# Altium PCB HIVE_BOARD.PcbDoc (part 3 of 9) (continued)
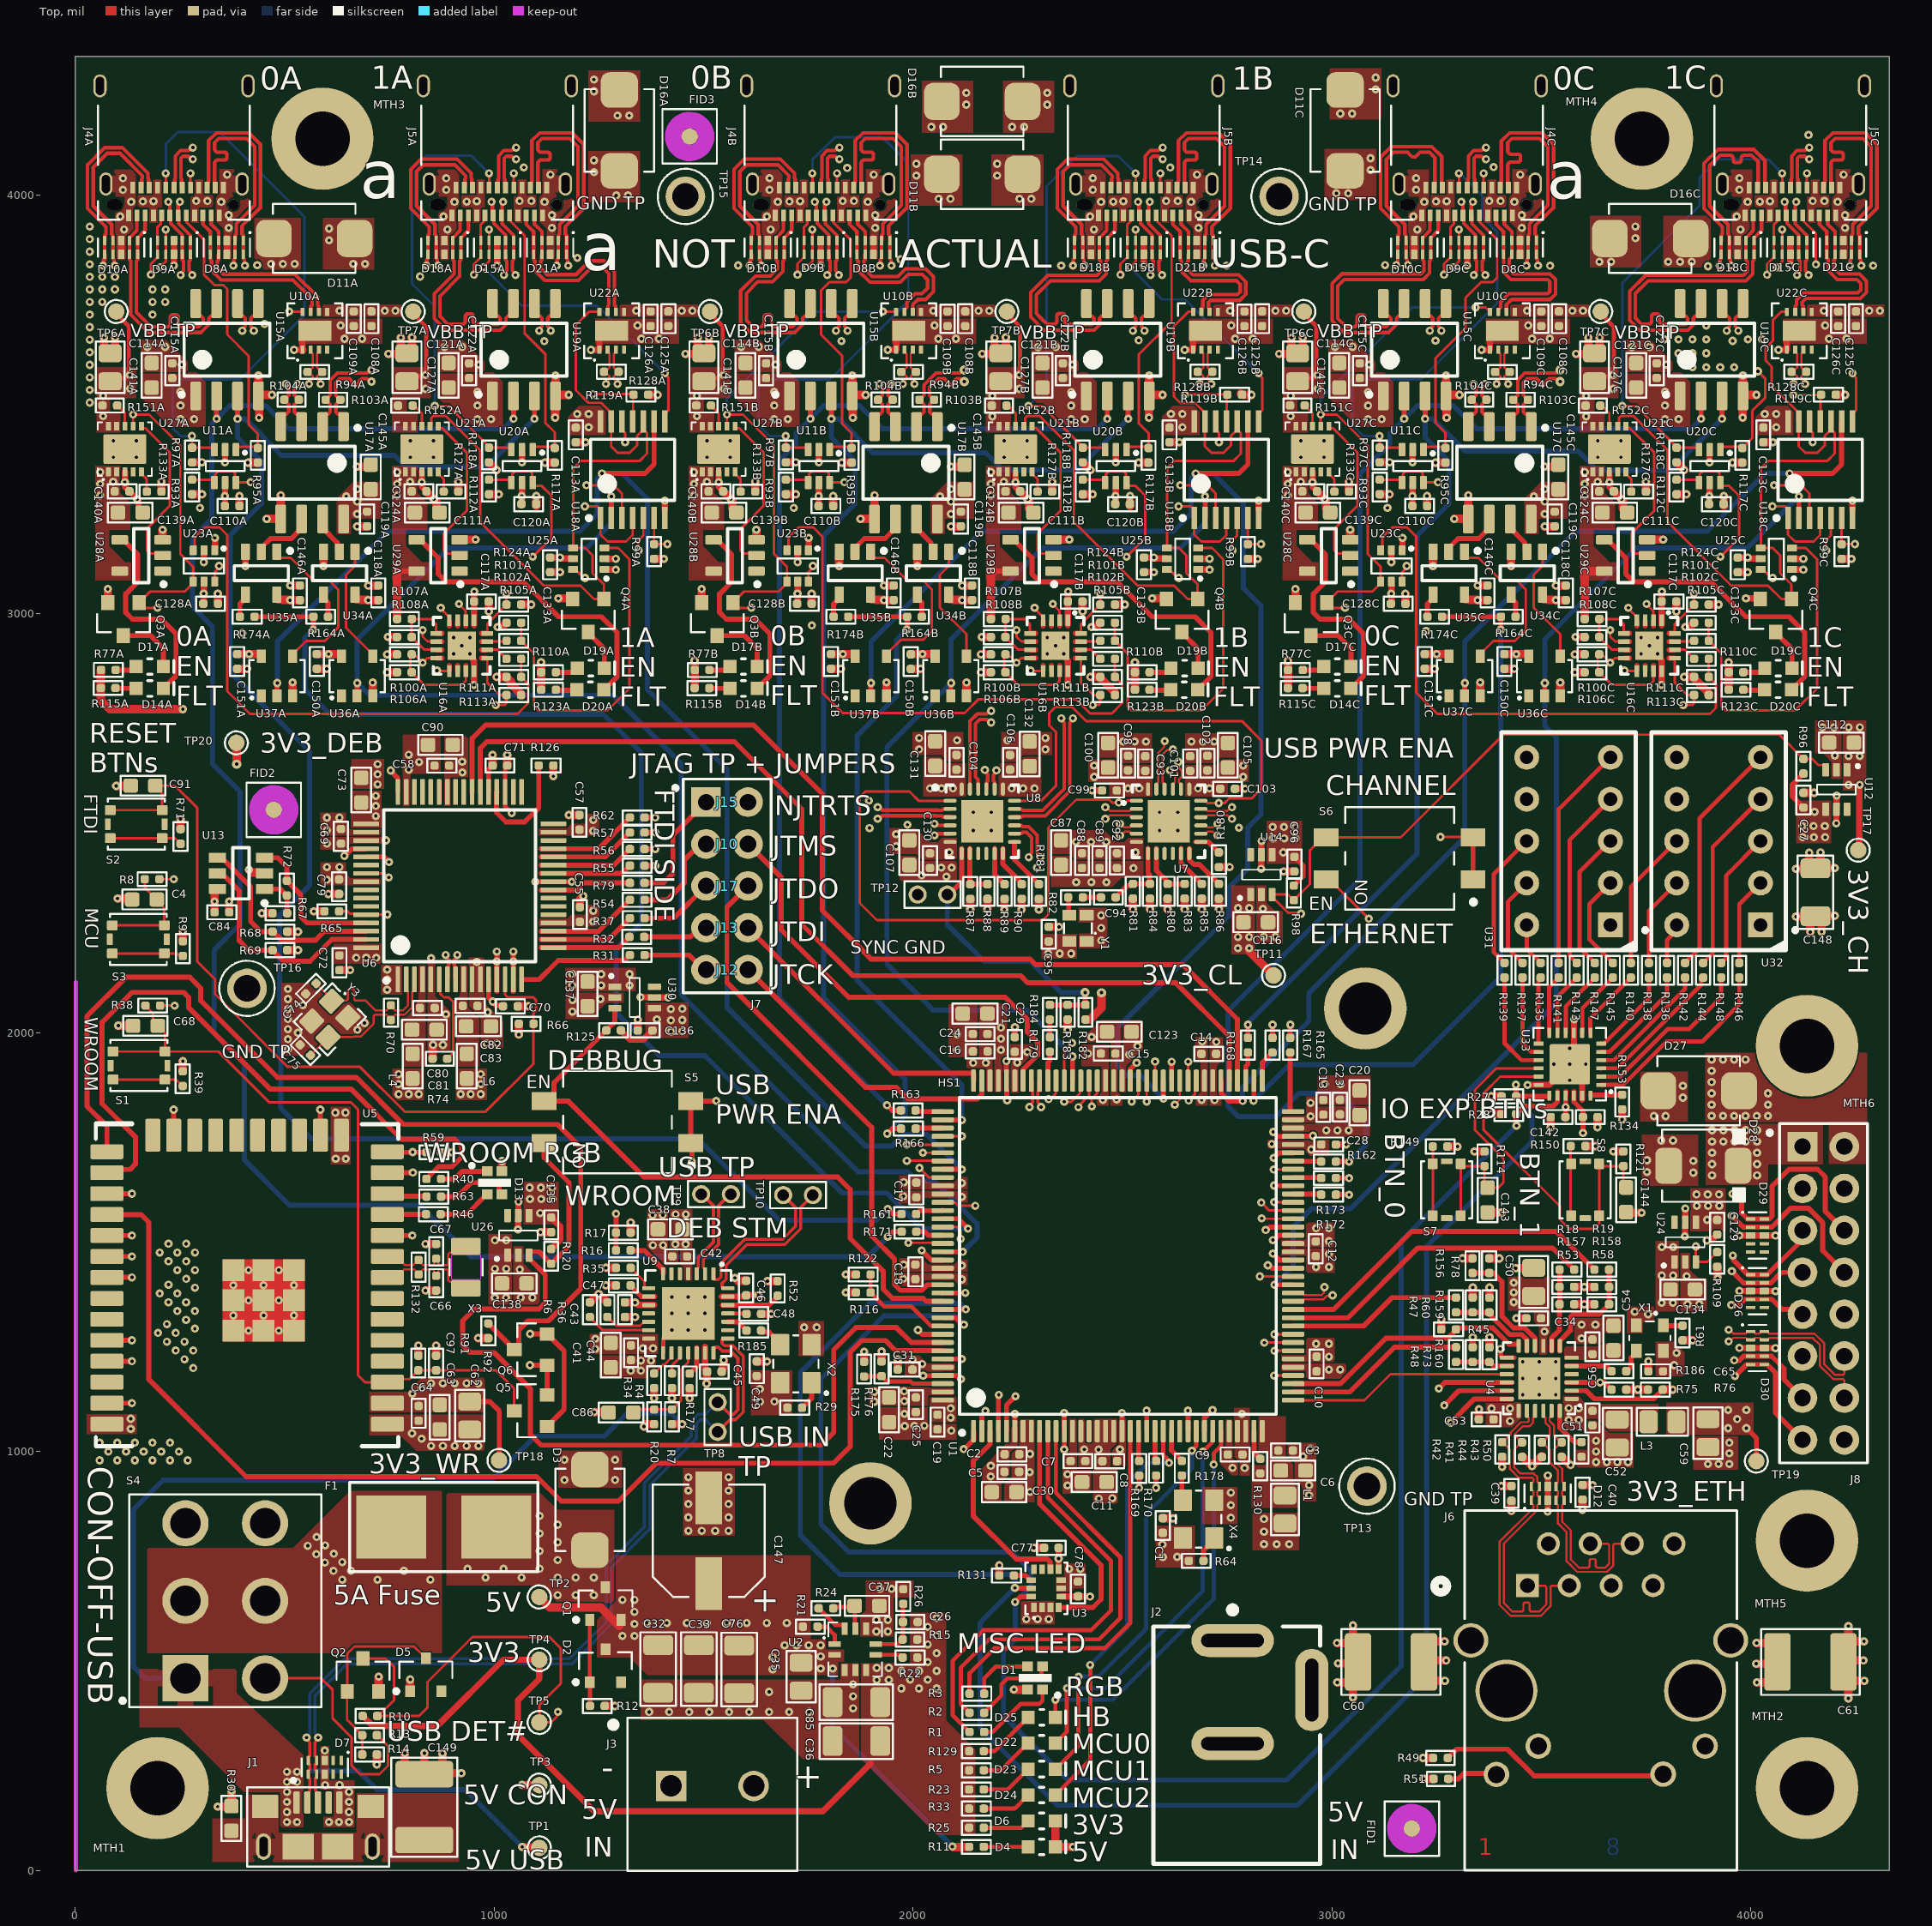
[diagram p0: Top view]
## Part data (continued)
R108A R108B R108C: library part RES_RC0402FR-0740K2L, "RES - 40.2K 1% 1/16W - 0402", Current Rating=-, Manufacturer #1=Yageo, Package=0402, Power Max=1/16W, Supplier Part Number 1=311-40.2KLRCT-ND, Temperature="-55°C ~ 155°C", Tolerance=1%, Voltage Rating=50V, Assembly Type=SMD, CreatedBy/Date="Raphael Bouchard - 2019-08-09", Cryo=UNKNOWN, GRAMS Lib Spec=2.8, HelpURL=http://www.yageo.com/documents/recent/PYu-RC_Group_51_RoHS_L_10.pdf, Magnetic Material=Unknown, Manufacturer #2=-, Note=-, Part Number #1=RC0402FR-0740K2L, Part Number #2=-, Polarized=No, Supplier 1=Digi-Key, VerifiedBy="C.Paulin - 15/08/2019"
R130: library part RES_RC0402FR-0747RL, "RES -  47ohm ±1% 0.063W, 1/16W Chip Resistor 0402", Manufacturer #1=Yageo, Package=0402, Power Max=1/16W, Supplier Part Number 1=311-47.0LRCT-ND, Temperature="-55°C ~ 155°C", Tolerance=1%, Voltage Rating=50V, Assembly Type=SMD, CreatedBy/Date="Philippe Arsenault/2021-04-10", GRAMS Lib Spec=2.8, HelpURL=https://www.yageo.com/upload/media/product/productsearch/datasheet/rchip/PYu-RC_Group_51_RoHS_L_11.pdf, Magnetic Material=Unknown, Part Number #1=RC0402FR-0747RL, Polarized=No, Supplier 1=Digi-Key, VerifiedBy="Louis-Daniel Gaulin / 14-04-2021"
R132: library part RES_RC0402FR-071ML, "RES - 1M 1% 1/16W - 0402", Manufacturer #1=Yageo, Package=0402, Power Max=1/16W, Supplier Part Number 1=311-1.00MLRCT-ND, Temperature="-55°C ~ 155°C", Tolerance=1%, Voltage Rating=50V, Assembly Type=SMD, CreatedBy/Date="Keven Deslandes 2018-11-09", Cryo=UNKNOWN, GRAMS Lib Spec=2.8, HelpURL=http://www.yageo.com/documents/recent/PYu-RC_Group_51_RoHS_L_10.pdf, Magnetic Material=Unknown, Part Number #1=RC0402FR-071ML, Polarized=No, Supplier 1=Digi-Key, VerifiedBy="Caroline Paulin - 7 janv 2019"
R151A R151B R151C R152A R152B R152C: library part RES_CRCW04023R48FKED, "RES - 3.48 R ±1% 1/16W -  0402", Manufacturer #1="Vishay Dale", Package=0402, Power Max=1/16W, Supplier Part Number 1=541-3.48LLCT-ND, Temperature="-55°C ~ 155°C", Tolerance=1%, Voltage Rating=50V, Assembly Type=SMD, CreatedBy/Date="Louis-Daniel Gaulin / 2021-05-01", GRAMS Lib Spec=2.8c, HelpURL=https://www.vishay.com/docs/20035/dcrcwe3.pdf, Magnetic Material=Unknown, Part Number #1=CRCW04023R48FKED, Polarized=No, Supplier 1=Digi-Key, VerifiedBy="Philippe Arsenault/2021-05-10"
S1 S2 S3 S7 S8: library part SWI_TACT_435171014816, "SWI - SWITCH TACTILE SPST-NO 0.05A 12V -SMD", Current Rating=50mA, Manufacturer #1="Würth Elektronik", Package=SMD, Supplier Part Number 1=732-435171014816CT-ND, Temperature="-40°C ~ 85°C", Voltage Rating=12VDC, Assembly Type=SMD, CreatedBy/Date="Hubert Dube - 22/07/20", Cryo=UNKNOWN, GRAMS Lib Spec=2.8, HelpURL=https://www.we-online.com/catalog/datasheet/435171014816.pdf, Magnetic Material=UNKNOWN, Part Number #1=435171014816, Polarized=No, Supplier 1=Digi-Key, VerifiedBy="Louis-Daniel Gaulin / 12-11-2020"
S4: library part SWI_500SDP1S1M2QEA, "SWI - SLIDE DPDT 5A 120V - TH", Current Rating=5A, Manufacturer #1=E-Switch, Manufacturer #2=-, Package="12.7x11.43mm plastic", Supplier Part Number 1=EG2475-ND, Temperature="-30°C ~ 85°C", Voltage Rating=120VAC/28VDC, Assembly Type=TH, CreatedBy/Date="Louis-Daniel Gaulin / 29-04-2021", Cryo=UNKNOWN, GRAMS Lib Spec=2.8c, HelpURL=https://sten-eswitch-13110800-production.s3.amazonaws.com/system/asset/product_line/data_sheet/115/500.pdf, Magnetic Material=Unknown, Part Number #1=500SDP1S1M2QEA, Part Number #2=-, Polarized=Yes, Power Max=-, Supplier 1=Digi-Key, Tolerance=-, VerifiedBy="Philippe Arsenault/ 2021-04-30"
S5 S6: library part SWI_A6S-2104-H, "SWI - Dip Switch SPST 2 Pos 25mA 24V - SMD", Current Rating=25mA, Manufacturer #1="Omron Electronics Inc-EMC Div", Package=DIP_SMD, Supplier Part Number 1=SW1009-ND, Temperature="-20°C ~ 70°C", Voltage Rating=24VDC, Assembly Type=SMD, CreatedBy/Date="Joel Lemay 2018-06-15", Cryo=UNKNOWN, GRAMS Lib Spec=2.8, HelpURL=http://omronfs.omron.com/en_US/ecb/products/pdf/en-a6s.pdf, Magnetic Material=Unknown, Part Number #1=A6S-2104-H, Polarized=Yes, Supplier 1=Digi-Key, VerifiedBy="Caroline Paulin - 6 sept 2018"
TP1 TP2 TP3 TP4 TP5 TP6A TP6B TP6C TP7A TP7B TP7C TP11 TP17 TP18 TP19 TP20: library part TPO_SMD_ROUND_1MM, "TPO - TEST POINT ROUND SMD PAD ONLY  - 1 MM", Package="1 MM ROUND", Assembly Type=NONE, CreatedBy/Date="Jonathan Bouchard 2018-07-17", Cryo=UNKNOWN, GRAMS Lib Spec=2.8, Magnetic Material=NO, VerifiedBy="Arnaud Samson 23-07-18"
TP8 TP9 TP10 TP12: library part TPO_TH_ROUND_0.7mm_DOUBLE, "TPO - TH round 0.7mm double - 2-SMD", Current Rating=-, Package=2-SMD, Assembly Type=TH, CreatedBy/Date="Philippe Arsenault / 20-04-2021", GRAMS Lib Spec=2.8, HelpURL=-, Magnetic Material=-, Manufacturer #1=-, Manufacturer #2=-, Note=-, Part Number #1=-, Part Number #2=-, Polarized=-, Power Max=-, Supplier 1=-, Supplier Part Number 1=-, Temperature=-, Tolerance=-, VerifiedBy="Louis-Daniel Gaulin / 29-04-2021", Voltage Rating=-
TP13 TP14 TP15 TP16: library part TPO_5011, "TPO - TEST POINT - TH", Manufacturer #1="Keystone Electronics", Assembly Type=TH, CreatedBy/Date="Louis-Daniel Gauli / 02-11-2020", Cryo=UNKNOWN, GRAMS Lib Spec=2.8, HelpURL=https://www.keyelco.com/userAssets/file/M65p56.pdf, Magnetic Material=UNKNOWN, Part Number #1=5011, Polarized=No, Supplier 1=Digi-Key, VerifiedBy="Philippe Arsenault/2020-11-06"
U1: library part MCU_STM32H735ZGT6, "ARM® Cortex®-M7 series Microcontroller IC 32-Bit 550MHz 1MB (1M x 8) FLASH 564K RAM - 144-LQFP (20x20)", Current Rating=620mA, Manufacturer #1=STMicroelectronics, Package="144-LQFP (20x20)", Power Max=2.2W, Supplier Part Number 1=497-STM32H735ZGT6-ND, Temperature="-40°C ~ 85°C (TA)", Voltage Rating="1.62V ~ 3.6V", Assembly Type=SMD, CreatedBy/Date="Philippe Arsenault/2021-04-08", GRAMS Lib Spec=2.8, HelpURL=https://www.st.com/resource/en/datasheet/stm32h735ag.pdf, Magnetic Material=Unknown, Part Number #1=STM32H735ZGT6, Polarized=Yes, Supplier 1=Digi-Key, VerifiedBy="Louis-Daniel Gaulin / 08-04-2021"
U2: library part REG_SWR_RPL-3.0-CT, "REG_DC DC CONVERTER 3~18V input 0.8~5.2V output 3A - 10-SMD", Current Rating=3A, Manufacturer #1="Recom Power", Package=10-SMD, Supplier Part Number 1=945-RPL-3.0-CT-ND, Temperature=-40°C~125°C, Voltage Rating="3~18V (IN), 0.8~5.2V (OUT)", Assembly Type=SMD, CreatedBy/Date="Louis-Daniel Gaulin / 11-04-2021", Cryo=UNKNOWN, GRAMS Lib Spec=2.8c, HelpURL=https://recom-power.com/pdf/Innoline/RPL-3.0.pdf, Magnetic Material=Unknown, Part Number #1="Recom Power", Polarized=Yes, Supplier 1=Digi-Key, VerifiedBy="Philippe Arsenault/2021-04-14"
U3: library part SEN_IMU_LSM6DSMTR, "SEN_IMU -  ACCEL/GYRO 6 Axis I2C/SPI - 14-VFLGA", Current Rating=0.65mA, Manufacturer #1=STMicroelectronics, Manufacturer #2=-, Package=14-VFLGA, Power Max=3mW, Supplier Part Number 1=497-16696-1-ND, Temperature="-40°C ~ 85°C (TA)", Voltage Rating="1.71V ~ 3.6V", Assembly Type=SMD, CreatedBy/Date="Louis-Daniel Gaulin / 06-10-2020", GRAMS Lib Spec=2.7c, HelpURL=https://www.st.com/content/ccc/resource/technical/document/datasheet/76/27/cf/88/c5/03/42/6b/DM00218116.pdf/files/DM00218116.pdf/jcr:content/translations/en.DM00218116.pdf, Magnetic Material=Unknown, Note=-, Part Number #1=LSM6DSMTR, Part Number #2=-, Polarized=YES, Supplier 1=Digi-Key, Tolerance=-, VerifiedBy="Philippe Arsenault/2020-11-06"
U4: library part COM_ETH_LAN8742A-CZ, "COM_ETH_ Ethernet PHY 1/1 Transceiver  Ethernet 24-SQFN (4x4) 10/100 BASE-T", Manufacturer #1="Microchip Technology", Package="24-SQFN (4x4)", Supplier Part Number 1=LAN8742A-CZ-ND, Temperature="0°C ~ 70°C", Voltage Rating="1.6 ~ 3.6V", Assembly Type=SMD, CreatedBy/Date="Hubert Dube -  28/01/2021", GRAMS Lib Spec=2.7, HelpURL=https://ww1.microchip.com/downloads/en/DeviceDoc/DS_LAN8742_00001989A.pdf, Magnetic Material=Unknown, Part Number #1=LAN8742A-CZ, Polarized=Yes, Supplier 1=Digi-Key, VerifiedBy="Philippe Arsenault 2021-03-10"
U5: library part COM_ESP32-WROOM-32UE(4MB), "Bluetooth, WiFi 802.11b/g/n, Bluetooth v4.2 +EDR, Class 1, 2 and 3 Transceiver Module 2.4GHz ~ 2.5GHz Antenna Not Included, U.FL Surface Mount", Current Rating=1100mA, Manufacturer #1="Espressif Systems", Package="38-SMD MODULE", Power Max=3.96W, Supplier Part Number 1=1965-ESP32-WROOM-32UE(4MB)TR-ND, Temperature=-40~85C, Voltage Rating="-0.3 to 3.6V", Assembly Type=SMD, CreatedBy/Date="Hubert Dube -  25/02/2021", GRAMS Lib Spec=2.7, HelpURL=https://www.espressif.com/sites/default/files/documentation/esp32-wroom-32e_esp32-wroom-32ue_datasheet_en.pdf, Magnetic Material=Unknown, Note="Antenna not included", Part Number #1="ESP32-WROOM-32UE (4MB)", Polarized=Yes, Supplier 1=Digi-Key, VerifiedBy="Philippe Arsenault/ 2021-03-11"
U6: library part COM_USB_FT4232HL-REEL, "COM_USB - Bridge, USB to UART,FIFO USB 2.0 FIFO, JTAG Quad channel Interface -  64-LQFP (10x10)", Current Rating=220mA, Manufacturer #1="FTDI, Future Technology Devices International Ltd", Package=64-LQFP, Power Max=800mW, Supplier Part Number 1=768-1026-1-ND, Temperature="-40°C ~ 85°C", Voltage Rating="3V ~ 3.6V (VCCIO), 1.62V ~ 1.98V (core)", Assembly Type=SMD, CreatedBy/Date="Philippe Arsenault/2021-04-07", GRAMS Lib Spec=2.8, HelpURL=https://www.ftdichip.com/Support/Documents/DataSheets/ICs/DS_FT4232H.pdf, Magnetic Material=Unknown, Part Number #1=FT4232HL-REEL, Polarized=Yes, Supplier 1=Digi-Key, VerifiedBy="Louis-Daniel Gaulin / 08-04-2021"
U7 U8: library part TIM_FAN_SI53342-B-GM, "TIM_FAN -  Clock Fanout Buffer 1.25GHz , Multiplexer IC 2:6 - 24-VFQFN EP", Current Rating=121mA, Manufacturer #1="Silicon Labs", Package=24-QFN, Supplier Part Number 1=336-3840-ND, Temperature="-40°C ~ 85°C", Voltage Rating="1.71V ~ 3.63V", Assembly Type=SMD, CreatedBy/Date="Philippe Arsenault/ 2021-04-01", GRAMS Lib Spec=2.8, HelpURL=https://www.silabs.com/documents/public/data-sheets/si5334x-datasheet.pdf, Magnetic Material=Unknown, Part Number #1=SI53342-B-GM, Polarized=YES, Supplier 1=Digi-Key
U9: library part USB_USB2412-DZK, "USB Hub Controller USB 2.0 USB Interface 28-QFN", Manufacturer #1="Microchip Technology", Part Number #1=638-1114-ND, Supplier Part Number 1=USB2412-DZK-CT-ND, Temperature="0°C ~ 70°C", Voltage Rating="3V ~ 3.6V", Assembly Type=SMD, CreatedBy/Date="Hubert Dube -  12/02/2021", GRAMS Lib Spec=2.7, HelpURL=https://ww1.microchip.com/downloads/en/DeviceDoc/2412.pdf, Magnetic Material=Unknown, Polarized=Yes, Supplier 1=Digi-Key, VerifiedBy="Philippe Arsenault/2021-03-14"
U10A U10B U10C U22A U22B U22C: library part COM_BUF_DS90LV001TLD/NOPB, "COM_BUF - ReDriver 1 Channel 800Mbps CML,LVDS,LVPECL to LVDS -   / 8-WFDFN EP", Current Rating=70mA, Manufacturer #1="Texas Instruments", Package="8-WFDFN EP", Power Max=-, Supplier Part Number 1=DS90LV001TLD/NOPBCT-ND, Temperature="-40°C ~ 85°C", Voltage Rating="3V ~ 3.6V", Assembly Type=SMD, CreatedBy/Date="Louis-Daniel Gaulin / 07-04-2021", GRAMS Lib Spec=2.8, HelpURL=https://www.ti.com/lit/ds/symlink/ds90lv001.pdf?HQS=dis-dk-null-digikeymode-dsf-pf-null-wwe&ts=1617891563599, Magnetic Material=Unknown, Part Number #1=DS90LV001TLD/NOPB, Polarized=Yes, Supplier 1=Digi-Key, VerifiedBy="Philippe Arsenault/2021-04-08"
U11A U11B U11C U20A U20B U20C: library part LOG_BUF_TC7PZ05FU,LJ(CT, "LOG_BUF - DUAL Buffer inverting Open Drain - SOT-363", Current Rating="100mA VCC - 50mA output", Manufacturer #1="Toshiba Semiconductor and Storage", Package=SOT-363, Power Max=200mW, Supplier Part Number 1=TC7PZ05FULJ(CTCT-ND, Temperature="-40°C ~ 125°C (TA)", Voltage Rating="2V ~ 5.5V", Assembly Type=SMD, CreatedBy/Date="Louis-Daniel Gaulin / 14-04-2021", GRAMS Lib Spec=2.8, HelpURL=https://toshiba.semicon-storage.com/info/docget.jsp?did=30530&prodName=TC7PZ05FU, Magnetic Material=Unknown, Part Number #1=TC7PZ05FU,LJ(CT, Polarized=Yes, Supplier 1=Digi-Key, VerifiedBy="Philippe Arsenault/2021-04-14"
U12 U14 U24 U26 U30: library part POW_MIC94072YC6-TR, "POW - Load switch 1.2A 120mOhm 1:1 P-Channel -  SC-70-6", Current Rating=1.2A, Manufacturer #1="Microship Technology", Package=SC-70-6, Supplier Part Number 1=576-3580-1-ND, Temperature="-40°C ~ 125°C (TA)", Voltage Rating="1.7V ~ 5.5V", Assembly Type=SMD, CreatedBy/Date="Louis-Daniel Gaulin / 29-04-2021", Cryo=UNKNOWN, GRAMS Lib Spec=2.8c, HelpURL=https://ww1.microchip.com/downloads/en/DeviceDoc/mic94070-3.pdf, Magnetic Material=Unknown, Part Number #1=MIC94072YC6-TR, Polarized=Yes, Supplier 1=Digi-Key, VerifiedBy="Philippe Arsenault/2021-04-30"
U13: library part MEM_EEPROM_93LC46BT-E/OT, "EEPROM Memory IC 1Kb (128 x 8) SPI 2MHz  SOT-23-6", Manufacturer #1="Microchip Technology", Package=SOT-23-6, Supplier Part Number 1=93LC46BT-E/OTCT-ND, Temperature="-40°C ~ 125°C", Voltage Rating="2.5V ~ 5.5V", Assembly Type=SMD, CreatedBy/Date="Hubert Dube -  13/03/2021", GRAMS Lib Spec=2.7, HelpURL=https://ww1.microchip.com/downloads/en/DeviceDoc/20001749K.pdf, Magnetic Material=Unknown, Part Number #1=93LC46BT-E/OT, Polarized=Yes, Supplier 1=Digi-Key, VerifiedBy="Philippe Arsenault - 17/03/2021 + HD 19/03/2021"
U15A U15B U15C U19A U19B U19C: library part COM_XCV_FIN1027AMX, "COM_XCV - 3V3 LVCMOS to LVDS, 2 bits, High-SPEED, DIFF driver - SOIC-8", Current Rating=17mA, Manufacturer #1="ON Semiconductor", Package=SOIC-8, Power Max=56mW, Supplier Part Number 1=FIN1027AMXCT-ND, Temperature="-40°C ~ 85°C", Voltage Rating="3V ~ 3.6V", Assembly Type=SMD, CreatedBy/Date="Philippe Arsenault/2021-04-01", GRAMS Lib Spec=2.8, HelpURL=https://www.onsemi.com/pdf/datasheet/fin1027a-d.pdf, Magnetic Material=Unknown, Part Number #1=FIN1027AMX, Polarized=YES, Supplier 1=Digi-Key, VerifiedBy="Louis-Daniel Gaulin - 05/04/2021"
U16A U16B U16C: library part CMP_LM339LVRTER, "COMP - Quad Comparator General Purpose Open-Drain, Rail-to-Rail - 16-WQFN (3x3)", Current Rating="100mA@5V (SC)", Manufacturer #1="Texas instrument", Package="16-WFQFN Exposed Pad", Power Max=-, Supplier Part Number 1=296-LM339LVRTERCT-ND, Temperature="-40°C ~ 125°C (TA)", Voltage Rating="1.65V ~ 5.5V", Assembly Type=SMD, CreatedBy/Date="Philippe Arsenault/2021-04-10", GRAMS Lib Spec=2.8, HelpURL=https://www.ti.com/lit/ds/symlink/lm339lv.pdf?ts=1618013735062, Magnetic Material=Unknown, Part Number #1=LM339LVRTER, Polarized=Yes, Supplier 1=Digi-Key, VerifiedBy="Louis-Daniel Gaulin / 14-04-2021"
U17A U17B U17C: library part COM_XCV_FIN1028MX, "COM_XCV - 3V3 LVDS to LVCMOS, 2 bits, High-SPEED, DIFF receiver - SOIC-8", Current Rating=9mA, Manufacturer #1="ON Semiconductor", Package=SOIC-8, Power Max=30mW, Supplier Part Number 1=FIN1028MXCT-ND, Temperature="-40°C ~ 85°C", Voltage Rating="3V ~ 3.6V", Assembly Type=SMD, CreatedBy/Date="Philippe Arsenault/2021-04-01", GRAMS Lib Spec=2.8, HelpURL=https://www.onsemi.com/pdf/datasheet/fin1028-d.pdf, Magnetic Material=Unknown, Part Number #1=FIN1028MX, Polarized=YES, Supplier 1=Digi-Key, VerifiedBy="Louis-Daniel Gaulin - 05/04/2021"
U18A U18B U18C: library part LOG_BUF_74LVC126APW,118, "LOG_BUF - Quad Buffer non-inverting 3-States - 14-TSSOP", Current Rating="100mA (supply) - 24mA (output)", Manufacturer #1="Nexperia USA Inc.", Package=14-TSSOP, Power Max=500mW, Supplier Part Number 1=1727-5979-1-ND, Temperature="-40°C ~ 125°C (TA)", Voltage Rating="1.65V ~ 3.6V", Assembly Type=SMD, CreatedBy/Date="Louis-Daniel Gaulin / 11-04-2021", GRAMS Lib Spec=2.8, HelpURL=https://assets.nexperia.com/documents/data-sheet/74LVC126A.pdf, Magnetic Material=Unknown, Part Number #1=74LVC126APW,118, Polarized=Yes, Supplier 1=Digi-Key, VerifiedBy="Philippe Arsenault/2021-04-14"
U21A U21B U21C U27A U27B U27C: library part POW_NIS6150MT1TXG, "POW -  Electronic Fuse Regulator 1A -  10-WDFNW", Current Rating=1A, Manufacturer #1="On Semiconductor", Package=10-WDFNW, Supplier Part Number 1=488-NIS6150MT1TXGCT-ND, Temperature="-40°C ~ 125°C (TA)", Tolerance="See datasheet", Voltage Rating="-0.3V ~ 10V", Assembly Type=SMD, CreatedBy/Date="Louis-Daniel Gaulin / 29-04-2021", Cryo=UNKNOWN, GRAMS Lib Spec=2.8c, HelpURL=https://www.onsemi.com/pdf/datasheet/nis6150-d.pdf, Magnetic Material=Uknown, Part Number #1=NIS6150MT1TXG, Polarized=Yes, Supplier 1=DigiKey, VerifiedBy="Philippe Arsenault/2021-04-30"
U23A U23B U23C U25A U25B U25C: library part LOG_AND_74LVC1G11DW-7, "LOG - AND Gate, 1CH 3-INP - 6-TSSOP", Current Rating=32mA, Manufacturer #1="Diodes Incorporated", Package=6-TSSOP, Supplier Part Number 1=74LVC1G11DW-7CT-ND, Temperature="-40°C ~ 125°C", Voltage Rating="1.65V ~ 5.5V", Assembly Type=SMD, CreatedBy/Date="Louis-Daniel Gaulin / 26-02-2020", Cryo=UNKNOWN, GRAMS Lib Spec=2.8c, HelpURL=https://www.diodes.com/assets/Datasheets/74LVC1G11.pdf, Magnetic Material=Unknown, Part Number #1=74LVC1G11DW-7, Polarized=Yes, Supplier 1=Digi-Key, VerifiedBy="C.Paulin - 9/03/2020"
U28A U28B U28C U29A U29B U29C: library part LOG_BUF_74AHC1G07GV,125, "LOG_BUF - Buffer non-inverting Open Drain - SC-74A", Current Rating=8mA, Manufacturer #1="Nexperia USA Inc.", Package=SC-74A, Power Max=-, Supplier Part Number 1=1727-6761-1-ND, Temperature="-40°C ~ 125°C (TA)", Voltage Rating="2V ~ 5.5V", Assembly Type=SMD, CreatedBy/Date="Louis-Daniel Gaulin / 07-04-2021", GRAMS Lib Spec=2.8, HelpURL=https://assets.nexperia.com/documents/data-sheet/74AHC1G07.pdf, Magnetic Material=Unknown, Part Number #1=74AHC1G07GV,125, Polarized=Yes, Supplier 1=Digi-Key, VerifiedBy="Philippe Arsenault/2021-04-08"
U31 U32: library part LED_7SEG_INND-TS30RAB, "LED_7SEG  - LED Character and Numeric Red 7-Segment 1 Character Common Anode 2V - 10-TH", Current Rating=20mA, Package=10-TH, Supplier Part Number 1=1830-1146-ND, Temperature="-35°C ~ 85°C", Voltage Rating="2V (Vf)", Assembly Type=TH, CreatedBy/Date="Louis-Daniel Gaulin / 10-05-2021", Cryo=UNKNOWN, GRAMS Lib Spec=2.8, HelpURL=http://www.inolux-corp.com/datasheet/Display/Through-Hole-Display/SingleDigit/INND-TS30%20Series_V1.0.pdf, Magnetic Material=Unknown, Manufacturer #1=INND-TS30RAB, Note="Operate at 10mA", Part Number #1=INND-TS30RAB, Polarized=Yes, Supplier 1=Digi-Key, VerifiedBy="Philippe Arsenault/10-05-2021"
U33: library part LOG_IOEXP_TCA9539RGER, "LOG - 16-Bit I2C/SMBus, I/O Expander - 24-VQFN-EP", Manufacturer #1="Texas Instruments", Package=24-VQFN-EP, Supplier Part Number 1=296-44209-1-ND, Temperature="-40°C ~ 85°C", Voltage Rating="1.65V ~ 5.5V", Assembly Type=SMD, CreatedBy/Date="Louis-Daniel Gaulin / 10-05-2021", Cryo=UNKNOWN, GRAMS Lib Spec=2.8, HelpURL=https://www.ti.com/lit/ds/symlink/tca9539.pdf?HQS=dis-dk-null-digikeymode-dsf-pf-null-wwe&ts=1620652560420, Magnetic Material=Unknown, Part Number #1=TCA9539RGER, Polarized=Yes, Supplier 1=Digi-Key, VerifiedBy="Philippe Arsenault/2021-05-10"
U34A U34B U34C U35A U35B U35C: library part LOG_BUF_74LVC1G126GV,125, "LOG_BUF - Buffer non-inverting 3-States - SC-74A", Current Rating=50mA, Manufacturer #1="Nexperia USA Inc.", Package=SC-74A, Power Max=-, Supplier Part Number 1=1727-6066-1-ND, Temperature="-40°C ~ 125°C (TA)", Voltage Rating="1.65V ~ 5.5V", Assembly Type=SMD, CreatedBy/Date="Philippe Arsenault/2021-04-08", GRAMS Lib Spec=2.8, HelpURL=https://assets.nexperia.com/documents/data-sheet/74LVC1G126.pdf, Magnetic Material=Unknown, Part Number #1=74LVC1G126GV,125, Polarized=Yes, Supplier 1=Digi-Key, VerifiedBy="Louis-Daniel Gaulin / 11-04-2021"
U36A U36B U36C U37A U37B U37C: library part LOG_INV_74LVC1G04GV, "LOG - INVERTER 1CH 1-INP - SOT-753", Current Rating=-, Manufacturer #1="Nexperia USA Inc.", Package=SOT-753, Part Number #1=74LVC1G04GV,125, Supplier Part Number 1=1727-3098-1-ND, Temperature="-40°C ~ 125°C", Voltage Rating="1.65V ~5.5V", Assembly Type=SMD, CreatedBy/Date="Keven Deslandes - 2018-09-12", Cryo=UNKNOWN, GRAMS Lib Spec=2.8, HelpURL=https://assets.nexperia.com/documents/data-sheet/74LVC1G04.pdf, Magnetic Material=Unknown, Polarized=Yes, Supplier 1=Digi-Key, VerifiedBy="Caroline Paulin - 17/12/2018"
X1: library part OSC_CRY_ASDM1-25.000MHZ-LC-T, "OSC_CRY - 25MHz +-50ppm LVCMOS Crystal", Current Rating=15mA, Manufacturer #1="Abracon LLC", Package=4-SMD, Power Max=50mW, Supplier Part Number 1=535-9792-1-ND, Temperature="-40°C ~ 85°C", Voltage Rating="3.0 ~ 3.6V", Assembly Type=SMD, CreatedBy/Date="Philippe Arsenault/2021-04-07", GRAMS Lib Spec=2.8, HelpURL=https://abracon.com/Oscillators/ASDM.pdf, Magnetic Material=Unknown, Part Number #1=ASDM1-25.000MHZ-LC-T, Polarized=YES, Supplier 1=Digi-Key, VerifiedBy="Louis-Daniel Gaulin / 08-04-2021"
X2 X4: library part "OSC_O 24,0-JO32-B-1V3-1-T1-LF", "OSC - 24MHz XO (Standard) LVCMOS Oscillator 1.8V ~ 3.3V Enable/Disable 4-SMD, No Lead", Current Rating=4mA, Manufacturer #1="Jauch Quartz", Package="4-SMD, No Lead", Power Max=13mW, Supplier Part Number 1=1908-O240-JO32-B-1V3-1-T1-LFCT-ND, Temperature="-40°C ~ +85°C", Tolerance=±50ppm, Voltage Rating="1.8V ~ 3.3V", Assembly Type=SMD, CreatedBy/Date="Louis-Daniel Gaulin / 13-04-2021", Cryo=UNKNOWN, GRAMS Lib Spec=2.8c, HelpURL=https://www.jauch.com/downloadfile/5ef1edcfb8e2f73163c8ce8009ef659d1/jo32-1.8-3.3v.pdf, Magnetic Material=Unknown, Part Number #1="O 24,0-JO32-B-1V3-1-T1-LF", Polarized=Yes, Supplier 1=Digi-Key, VerifiedBy="Philippe Arsenault/2021-04-14"
X3: library part CRY_VMK3-9005-32K7680000, "CRY - 32.768KHZ tol:20ppm  - 2-SMD", Manufacturer #1="Microchip Technology", Package="2-SMD, No Lead", Supplier Part Number 1=150-VMK3-9005-32K7680000CT-ND, Temperature="-40°C ~ 85°C", Tolerance=±20ppm, Assembly Type=SMD, CreatedBy/Date="Louis-Daniel Gaulin / 08-04-2021", Cryo=UNKNOWN, GRAMS Lib Spec=2.8c, HelpURL=https://www.vectron.com/products/crystals/VMK3_VMK4.pdf, Magnetic Material=Unknown, Note="The capacitance is unclear - migthcause problems", Part Number #1=VMK3-9005-32K7680000, Polarized=No, Supplier 1=Digi-Key, VerifiedBy="Philippe Arsenault/2021-04-15"
Y1: library part "OSC_O 38,40-JT21G-E-M-3,3-LF", "OSC -  TCXO Clipped Sine Wave Oscillator 3.3V 38.4MHz - 4-SMD", Current Rating=2mA, Manufacturer #1="Jauch Quartz", Package=SMD-4, Power Max=7mW, Supplier Part Number 1=1908-O38,40-JT21G-E-M-3,3-LFCT-ND, Temperature="-30°C ~ 85°C", Tolerance="±2 ppm", Voltage Rating=3.14V~3.46V, Assembly Type=SMD, CreatedBy/Date="Louis-Daniel Gaulin / 30-04-2021", GRAMS Lib Spec=2.8, HelpURL=https://www.jauch.com/downloadfile/5ea1ac91e1fcc808473bf53821b4b903d/jt21g_200519_online.pdf, Magnetic Material=Unknown, Part Number #1="O 38,40-JT21G-E-M-3,3-LF", Polarized=Yes, Supplier 1=Digi-Key, VerifiedBy="Philippe Arsenault/2021-04-30"
Y3: library part "CRY_FA-20H 12.0000MD30Z-K3", "CRY - 12MHz ±30ppm Crystal 10pF 150 Ohms 4-SMD, No Lead", Manufacturer #1=EPSON, Package="4-SMD, No Lead", Supplier Part Number 1=SER4113CT-ND, Temperature="-40°C ~ 85°C", Tolerance=±30ppm, Voltage Rating="1.8V ~ 3.3V", Assembly Type=SMD, CreatedBy/Date="Hubert Dube - 13/03/2021", Cryo=UNKNOWN, GRAMS Lib Spec=2.8, HelpURL=https://support.epson.biz/td/api/doc_check.php?dl=brief_FA-20H&lang=en, Magnetic Material=Unknown, Part Number #1="FA-20H 12.0000MD30Z-K3", Polarized=Yes, Supplier 1=Digi-Key, VerifiedBy="Philippe Arsenault - 2021/03/16"

## Via types
v1: diameter 19.68, hole 7.87, Top to Bottom, tented both sides, 1753 vias
v2: diameter 19.68, hole 7.87, Top to Bottom, 41 vias
v3: diameter 21.65, hole 7.87, Top to Bottom, tented both sides, 7 vias
v4: diameter 19.68, hole 7.87, Top to Bottom, tented bottom, 5 vias

## Nets (pads, with @x,y where several pads share a name; then routed paths per layer and width w, separated by ;. In a path a pad name is that pad's centre, name@x,y a point inside that pad or via, vN(x,y) a via of type N, cw(c..) or ccw(c..) an arc to the next point about the centre after c; other vN are vias at no path point)
3V3: C1.2 C2.1 C5.2 C7.1 C8.1 C9.1 C10.1 C11.2 C12.1 C13.1 C14.1 C15.1 C16.1 C17.1 C18.1 C19.1 C26.2 C27.1 C30.1 C36.2 C38.1 C41.2 C42.2 C43.2 C44.2 C45.2 C46.2 C49.2 C77.1 C78.1 C85.2 C96.1 C117A.2 C117B.2 C117C.2 C123.2 C128A.2 C128B.2 C128C.2 C129.1 C133A.2 C133B.2 C133C.2 C135.1 C136.1 C142.1 C148.2 D1.3 D28.K J8.1 L1.1 R4.1 R5.1 R6.1 R10.1 R15.2 R22.1 R23.1 R25.2 R27.1 R28.1 R29.1 R33.1 R35.1 R36.1 R64.1 R77A.2 R77B.2 R77C.2 R96.1 R98.1 R100A.1 R100B.1 R100C.1 R101A.1 R101B.1 R101C.1 R109.1 R110A.2 R110B.2 R110C.2 R111A.1 R111B.1 R111C.1 R113A.1 R113B.1 R113C.1 R114.2 R115A.2 R115B.2 R115C.2 R116.1 R120.1 R121.2 R123A.2 R123B.2 R123C.2 R124A.1 R124B.1 R124C.1 R125.1 R129.1 R131.1 R134.2 R153.2 R175.2 R177.1 TP4.1 U1.7 U1.8 U1.13 U1.19 U1.32 U1.42 U1.56 U1.71 U1.79 U1.90 U1.92 U1.106 U1.119 U1.129 U1.144 U2.5 U3.5 U3.8 U9.4 U9.10 U9.14 U9.20 U9.27 U12.4 U14.4 U16A.1 U16B.1 U16C.1 U23A.5 U23B.5 U23C.5 U24.4 U25A.5 U25B.5 U25C.5 U26.4 U30.4 U31.1 U31.6 U32.1 U32.6 U33.21 X2.4 X4.4 | length 4629.5
  Top w12: C46.2@1597.88,1369.83 1602.57,1374.52 C46.2@1603.01,1374.09 ; v1@1630.83,1374.09 v1(1631.27,1373.66) ; v1(2494,1005) 2494,1004.48 v1@2496.37,1002.11 ; U1.19@2498.89,1071.36 v1(2498.89,1091.91) ; R98.1@2909.13,2351.05 2931,2372.92 2931,2399.03 C96.1@2910.34,2419.69 ; C142.1@3557.21,1792.27 C142.1@3557.22,1798.47 3558,1799.27 v1(3558,1822) U33.21@3558.03,1849.83 ; U33.21@3558.03,1849.83 U33.21@3558.03,1859.76 ; C27.1@4125.61,2537.42 4098.99,2564.04 4098.99,2591.75 R96.1@4125.61,2618.36
  Top w15: C128A.2@307.57,3025.21 307.57,3055.77 U23A.5@307.57,3076.43 ; R10.1@686.5,369 710.38,345.12 864.2,345.12 1022.36,503.28 TP4.1@1108,503.28 1108,457.17 1056.98,406.15 1056.98,323.59 1239.27,141.3 1784.72,141.3 1898.74,255.32 ; v1@952.34,3052.81 952.34,3029.19 C117A.2@952.45,3029.08 952.56,3028.97 U16A.1@952.56,2974.1 ; C133A.2@1134.12,3134.09 v1(1157.73,3134.09) 1159,3134.09 1161.2,3131.89 1188.22,3131.89 U25A.5@1188.99,3131.12 ; R120.1@1136.54,1483.4 1158.13,1504.99 1158.13,1537.2 C135.1@1136.63,1558.7 ; v1(1249.83,1376.44) v1@1250.43,1376.44 ; R125.1@1302.93,2005.33 1324.52,1983.74 1356.74,1983.74 C136.1@1378.24,2005.24 ; v1(1336.66,1356) 1337.93,1356 1344.11,1349.83 U9.10@1369.22,1349.83 U9.10@1382.15,1349.83 ; U9.20@1503.72,1249.61 U9.20@1503.72,1235.33 1503.72,1195.67 C45.2@1508.42,1190.98 ; U9.27@1543.94,1369.83 U9.27@1558.22,1369.83 C46.2@1597.88,1369.83 ; C46.2@1603.01,1374.09 v1@1630.83,1374.09 ; C128B.2@1724.89,3025.21 1724.89,3055.77 U23B.5@1724.89,3076.43 ; U3.8@2347.8,719.35 v1(2347.8,744.77) C77.1@2347.8,770.18 ; U3.5@2354.2,653.89 v1(2422.63,653.89) ; v1@2369.66,3052.81 2369.66,3029.19 C117B.2@2369.77,3029.08 2369.88,3028.97 U16B.1@2369.88,2974.1 ; C133B.2@2551.44,3134.09 v1(2575.05,3134.09) 2576.32,3134.09 2578.52,3131.89 2605.55,3131.89 U25B.5@2606.31,3131.12 ; C128C.2@3142.22,3025.21 3142.22,3055.77 U23C.5@3142.22,3076.43 ; v1@3786.98,3052.81 3786.98,3029.19 C117C.2@3787.09,3029.08 3787.2,3028.97 U16C.1@3787.2,2974.1 ; R124C.1@3899.42,3021.65 R124C.1@3899.65,3021.87 ; C133C.2@3968.76,3134.09 v1(3992.38,3134.09) 3993.65,3134.09 3995.84,3131.89 4022.87,3131.89 U25C.5@4023.64,3131.12
  Top w20: R77A.2@61.88,2865.87 61.61,2865.61 61.61,2822.97 R115A.2@61.35,2822.71 61.35,2793.43 82.58,2772.19 v1(257.34,2772.19) ; v1(745,2902.87) R100A.1@768.61,2902.87 ; v1(1006.24,2849) R111A.1@1029.85,2849 1040.85,2838 1040.85,2832.1 1064.78,2808.18 R113A.1@1064.78,2805.84 ; v1(1009,2968) 1019.37,2968 R101A.1@1029.85,2978.49 ; R124A.1@1064.78,3021.65 1065,3021.87 v1(1088.62,3021.87) ; v1(1112.45,2884.01) 1112.45,2860.4 R110A.2@1112.57,2860.29 R123A.2@1112.57,2818.46 ; R6.1@1228.92,1355.32 1228.92,1355.54 v1(1249.83,1376.44) ; v1@1250.43,1376.44 R36.1@1270.69,1356.18 ; v1@1266.95,1438.59 R35.1@1291.14,1438.59 ; C43.2@1312.47,1356.2 v1@1336.66,1356.2 ; v1@1424.85,1127.46 R4.1@1424.85,1151.65 ; v1@1467.17,1127.12 R177.1@1467.17,1151.31 ; v1(1478.9,2887.86) 1478.9,2864.24 R77B.2@1479.13,2864.02 ; R115B.2@1479.17,2822.68 1479.17,2865.32 R77B.2@1479.43,2865.58 ; v1(1507.56,1162.28) 1507.99,1162.72 C45.2@1507.99,1190.54 ; v1@1839.65,1379.64 R116.1@1863.84,1379.64 ; R175.2@1883.38,1214.34 v1@1883.38,1238.53 ; v1(2162.32,2902.87) R100B.1@2185.93,2902.87 ; R131.1@2205.94,704.15 v1@2205.94,728.34 ; v1@2240.94,431.79 D1.3@2265.13,431.79 ; v1(2423.56,2849) R111B.1@2447.18,2849 2447.18,2846.82 2482.1,2811.9 R113B.1@2482.1,2805.84 ; v1(2426.32,2968) 2436.69,2968 R101B.1@2447.18,2978.49 ; R124B.1@2482.1,3021.65 2482.32,3021.87 v1(2505.94,3021.87) ; v1(2529.78,2884.01) 2529.78,2860.4 R110B.2@2529.89,2860.29 R123B.2@2529.89,2818.46 ; v1(2894.94,2887.81) 2894.94,2864.19 R77C.2@2895.16,2863.97 ; R115C.2@2895.2,2822.63 2895.2,2865.27 R77C.2@2895.47,2865.54 ; v1@3340.07,1716.34 R114.2@3364.26,1716.34 ; v1(3380.12,1805.78) R28.1@3404.31,1805.78 ; v1@3380.12,1848.05 R27.1@3404.31,1848.05 ; v1(3579.64,2902.87) R100C.1@3603.26,2902.87 ; v1@3634.2,1774.28 R134.2@3634.2,1798.47 ; v1@3671.54,1716.28 R121.2@3695.73,1716.28 ; v1@3692.89,1792.52 R153.2@3692.89,1816.72 ; v1(3840.88,2849) R111C.1@3864.5,2849 3864.5,2845.5 3899.42,2810.58 R113C.1@3899.42,2805.84 ; v1(3843.65,2968) 3854.01,2968 R101C.1@3864.5,2978.49 ; R124C.1@3899.65,3021.87 v1(3923.26,3021.87) ; R109.1@3919.67,1441.3 3920.85,1440.13 v1(3920.85,1413.63) ; v1(3947.1,2884.01) 3947.1,2860.4 R110C.2@3947.21,2860.29 R123C.2@3947.21,2818.46 ; v1(4107.55,2390.95) 4133.31,2390.95 C148.2@4133.5,2390.76 ; C148.2@4139.4,2405.9 v1(4139.4,2429.52) ; C148.2@4166.32,2406.52 v1(4166.32,2430.14) ; C148.2@4174.83,2393.43 4175.3,2392.95 v1(4200.55,2392.95)
  other v1: 2240.94,431.98 1972.32,434.61 2014.36,434.61 2056.39,434.61 1913.63,454.97 1942.31,454.97 1993.34,455.63 2035.38,455.63 1972.32,476.65 2014.36,476.65 2056.39,476.65 1913.63,483.65 1942.31,483.65 2035.38,497.66 2056.39,518.68 2035.38,539.7 2056.39,560.72 2035.38,581.73 2056.39,602.75 2206.14,728.34 2596.28,748.31 2630.52,748.74 2595.43,778.49 2838,778.93 2868.04,778.93 2898.07,778.93 2838,808.96 2838,839 2279.28,903.86 2368.86,919.24 2368.86,945.75 2278.67,951.02 2763,961 2279.25,994.52 2089.93,1080.96 2089.93,1103 1635.16,1119.02 1669.4,1119.45 1424.65,1127.46 1466.97,1127.12 1634.3,1149.19 2993,1226.52 1883.58,1238.53 1241.75,1244.94 1355.28,1246.5 1379.52,1246.5 2962.11,1257.41 2993,1257.41 1241.75,1269.18 1839.65,1379.84 2117,1411 1977.08,1412.55 1266.95,1438.79 1433,1495 1457.24,1495 2993,1502.11 2962.11,1533 2993,1533 3895.48,1553.13 1433.53,1566.2 1457.77,1566.2 1110.2,1569.27 3871,1586.7 3897.88,1586.7 3924.77,1586.7 1085.71,1602.83 1112.6,1602.83 1139.48,1602.83 2117,1607.85 1977.08,1609.4 3870.27,1613.78 3897.16,1613.78 3924.04,1613.78 1084.99,1629.92 1111.87,1629.92 1138.76,1629.92 3907.35,1659.46 4014.88,1659.46 3907.35,1686.35 4014.88,1686.35 3907.35,1713.23 4014.88,1713.23 3340.07,1716.54 3671.54,1716.48 3907.35,1740.12 3934.23,1740.12 3961.12,1740.12 3988,1740.12 4014.88,1740.12 3907.35,1767 3934.23,1767 3961.12,1767 3988,1767 4014.88,1767 3634,1774.28 3692.69,1792.52 2949.11,1800.47 2949.11,1832.28 2453.26,1839.32 2720,1839 3380.12,1848.25 2143.72,1927.99 2174,1928 2516,1948 2418,1950 2536,1968 2724.09,1978.04 1422.37,2002.39 1449.45,2003.11 1422.37,2029.27 1449.45,2030 1388.8,2031.67 1422.37,2056.16 1449.45,2056.88 2883.91,2430.26 2859.43,2463.82 2886.31,2463.82 2913.19,2463.82 4123.48,2466.21 4150.36,2466.21 4177.25,2466.21 2858.7,2490.91 2885.59,2490.91 2912.47,2490.91 4122.76,2493.29 4149.64,2493.29 4176.52,2493.29 4152.04,2526.86 307,3048 1724.32,3048 3141.65,3048 953,3053 2370.32,3053 3787.65,3053
3V3_CH: C108A.2 C108B.2 C108C.2 C109A.2 C109B.2 C109C.2 C110A.1 C110B.1 C110C.1 C112.1 C113A.2 C113B.2 C113C.2 C114A.1 C114B.1 C114C.1 C115A.1 C115B.1 C115C.1 C118A.1 C118B.1 C118C.1 C119A.1 C119B.1 C119C.1 C120A.1 C120B.1 C120C.1 C121A.1 C121B.1 C121C.1 C122A.1 C122B.1 C122C.1 C125A.2 C125B.2 C125C.2 C126A.2 C126B.2 C126C.2 C145A.1 C145B.1 C145C.1 C146A.1 C146B.1 C146C.1 C150A.1 C150B.1 C150C.1 C151A.1 C151B.1 C151C.1 R93A.1 R93B.1 R93C.1 R95A.1 R95B.1 R95C.1 R99A.1 R99B.1 R99C.1 R112A.1 R112B.1 R112C.1 R117A.1 R117B.1 R117C.1 R119A.1 R119B.1 R119C.1 TP17.1 U10A.5 U10B.5 U10C.5 U11A.5 U11B.5 U11C.5 U12.1 U15A.1 U15B.1 U15C.1 U17A.8 U17B.8 U17C.8 U18A.14 U18B.14 U18C.14 U19A.1 U19B.1 U19C.1 U20A.5 U20B.5 U20C.5 U22A.5 U22B.5 U22C.5 U23A.1 U23B.1 U23C.1 U25A.1 U25B.1 U25C.1 U34A.5 U34B.5 U34C.5 U35A.5 U35B.5 U35C.5 U36A.5 U36B.5 U36C.5 U37A.5 U37B.5 U37C.5 | length 1784.1
  Top w15: v1(333.78,3180.84) 333.78,3157.22 U23A.1@334,3157 ; C110A.1@356.76,3261.51 358,3262.76 358,3312.49 U11A.5@358.33,3312.82 ; C120A.1@1065.42,3261.51 1066.66,3262.76 1066.66,3312.49 U20A.5@1066.99,3312.82 ; U25A.1@1267,3105 v1(1290.62,3105) ; v1(1751.1,3180.84) 1751.1,3157.22 U23B.1@1751.32,3157 ; C110B.1@1774.08,3261.51 1775.32,3262.76 1775.32,3312.49 U11B.5@1775.66,3312.82 ; C120B.1@2482.74,3261.51 2483.98,3262.76 2483.98,3312.49 U20B.5@2484.32,3312.82 ; U25B.1@2684.32,3105 v1(2707.94,3105) ; v1(3168.42,3180.84) 3168.42,3157.22 U23C.1@3168.65,3157 ; C110C.1@3191.4,3261.51 3192.65,3262.76 3192.65,3312.49 U11C.5@3192.98,3312.82 ; C120C.1@3900.06,3261.51 3901.31,3262.76 3901.31,3312.49 U20C.5@3901.64,3312.82 ; U25C.1@4101.65,3105 v1(4125.26,3105) ; TP17.1@4256.27,2435.61 4259.2,2438.54 4259.2,2590.87 v1(4260.09,2591.76)
  Top w20: R93A.1@279.1,3284.8 R93A.1@279.32,3285.02 v1(302.94,3285.02) ; C151A.1@387,2903.5 443.77,2903.5 444.6,2902.67 U37A.5@444.6,2898.24 ; v1(412.68,3360.48) R95A.1@436.3,3360.48 R95A.1@436.52,3360.7 ; U35A.5@481.64,3045.57 481.64,3036.71 484.97,3033.39 493.82,3033.39 494.06,3033.15 512.31,3033.15 v1(513.21,3032.25) C146A.1@536.82,3032.25 C146A.1@537.05,3032.47 ; C150A.1@577,2903.5 U36A.5@633.77,2903.5 ; U34A.5@668.23,3045.57 668.23,3036.71 671.55,3033.39 680.41,3033.39 680.65,3033.15 698.9,3033.15 v1(699.8,3032.25) 723.41,3032.25 C118A.1@723.63,3032.47 ; R112A.1@987.76,3284.8 R112A.1@987.99,3285.02 v1(1011.6,3285.02) ; v1(1121.34,3360.48) R117A.1@1144.96,3360.48 R117A.1@1145.18,3360.7 ; R119A.1@1371.96,3522.32 v1(1390.56,3522.32) ; R99A.1@1382.08,3130.75 v1(1405.7,3130.75) ; R93B.1@1696.42,3284.8 R93B.1@1696.65,3285.02 v1(1720.26,3285.02) ; C151B.1@1804.32,2903.5 1861.09,2903.5 1861.92,2902.67 U37B.5@1861.92,2898.24 ; v1(1830.01,3360.48) R95B.1@1853.62,3360.48 R95B.1@1853.84,3360.7 ; U35B.5@1898.96,3045.57 1898.96,3036.71 1902.29,3033.39 1911.15,3033.39 1911.38,3033.15 1929.63,3033.15 v1(1930.53,3032.25) C146B.1@1954.15,3032.25 C146B.1@1954.37,3032.47 ; C150B.1@1994.32,2903.5 U36B.5@2051.09,2903.5 ; U34B.5@2085.55,3045.57 2085.55,3036.71 2088.88,3033.39 2097.73,3033.39 2097.97,3033.15 2116.22,3033.15 v1(2117.12,3032.25) 2140.73,3032.25 C118B.1@2140.96,3032.47 ; R112B.1@2405.09,3284.8 R112B.1@2405.31,3285.02 v1(2428.92,3285.02) ; v1(2538.67,3360.48) R117B.1@2562.28,3360.48 R117B.1@2562.51,3360.7 ; R119B.1@2782.84,3525.23 R119B.1@2785.34,3522.73 ; R119B.1@2789.28,3522.32 v1(2807.88,3522.32) ; R99B.1@2799.4,3130.75 v1(2823.02,3130.75) ; R93C.1@3113.75,3284.8 R93C.1@3113.97,3285.02 v1(3137.58,3285.02) ; C151C.1@3221.65,2903.5 v1(3250.03,2903.5) 3278.42,2903.5 3279.24,2902.67 U37C.5@3279.24,2898.24 ; v1(3247.33,3360.48) R95C.1@3270.94,3360.48 R95C.1@3271.17,3360.7 ; U35C.5@3316.28,3045.57 3316.28,3036.71 3319.61,3033.39 3328.47,3033.39 3328.71,3033.15 3346.96,3033.15 v1(3347.85,3032.25) C146C.1@3371.47,3032.25 C146C.1@3371.69,3032.47 ; C150C.1@3411.65,2903.5 U36C.5@3468.42,2903.5 ; U34C.5@3502.87,3045.57 3502.87,3036.71 3506.2,3033.39 3515.06,3033.39 3515.29,3033.15 3533.54,3033.15 v1(3534.44,3032.25) 3558.06,3032.25 C118C.1@3558.28,3032.47 ; R112C.1@3822.41,3284.8 R112C.1@3822.63,3285.02 v1(3846.25,3285.02) ; v1(3955.99,3360.48) R117C.1@3979.61,3360.48 R117C.1@3979.83,3360.7 ; R119C.1@4206.6,3522.32 v1(4225.2,3522.32) ; R99C.1@4216.73,3130.75 v1(4240.34,3130.75)
  other v1: 4233.02,2591.76 4233.02,2659.94 4260.09,2659.94 4233.41,2728.78 4260.3,2728.78 415.39,2903.5 605.39,2903.5 1832.71,2903.5 2022.71,2903.5 3440.03,2903.5 673.28,3238.01 2090.6,3238.01 3507.92,3238.01 673.28,3267.69 2090.6,3267.69 3507.92,3267.69 357.5,3280.62 647.4,3280.09 1066.16,3280.62 1774.82,3280.62 2064.72,3280.09 2483.48,3280.62 3192.15,3280.62 3482.05,3280.09 3900.81,3280.62 673.28,3297.37 2090.6,3297.37 3507.92,3297.37 1226,3445 2643.32,3445 4060.65,3445 251.62,3464.3 284.15,3464.3 960.28,3464.3 992.81,3464.3 1668.94,3464.3 1701.47,3464.3 2377.69,3464.22 2410.22,3464.22 3086.35,3464.22 3118.88,3464.22 3794.93,3464.3 3827.46,3464.3 1198.52,3476.57 1226,3476.57 2615.84,3476.57 2643.32,3476.57 4033.17,3476.57 4060.65,3476.57 251.62,3496.83 960.28,3496.83 1668.94,3496.83 2377.69,3496.74 3086.35,3496.74 3794.93,3496.83 251.62,3529.35 960.28,3529.35 1668.94,3529.35 2377.69,3529.27 3086.35,3529.27 3794.93,3529.35 631,3723 739.32,3723 764.79,3723 1339.66,3723 1447.98,3723 1473.45,3723 2048.32,3723 2156.64,3723 2182.12,3723 2756.98,3723 2865.31,3723 2890.78,3723 3465.65,3723 3573.97,3723 3599.44,3723 4174.31,3723 4282.63,3723 4308.1,3723
3V3_CL: C87.1 C88.2 C89.2 C92.2 C93.2 C95.2 C98.2 C99.2 C100.1 C101.2 C102.2 C103.2 C104.2 C105.1 C106.2 C107.1 C116.1 C130.2 C131.1 C132.1 R80.2 R81.2 R85.2 R87.2 R89.2 R182.2 TP11.1 U7.6 U7.19 U7.24 U8.6 U8.19 U8.24 U14.1 Y1.4 | length 303.5
  Top w20: v1(2136.79,2293.76) R87.2@2136.79,2319.4 ; v1(2218.34,2293.76) R89.2@2218.34,2319.4 ; R182.2@2411.73,2031.23 2422.7,2031.23 2449.97,2058.5 v3(2449.97,2095.26) ; v1(2525,2294.36) R81.2@2525,2320 ; v1(2607.79,2294.36) R80.2@2607.79,2320 ; v1(2689.39,2294.36) R85.2@2689.39,2320 ; v1(2802.54,2201.44) 2802.54,2194.7 TP11.1@2860.71,2136.52
  other v1: 2322.79,2188.71 2350.21,2188.71 2377.63,2188.71 2775.65,2201.44 2775.65,2228.33 2802.54,2228.33 2775.86,2297.18 2802.93,2297.18 2086.66,2430.16 2531.53,2430.16 1959.83,2444.56 2388.99,2455.46 2425.13,2455.46 2461.26,2455.46 1959.83,2473.79 2040.96,2583 2068.12,2583 2095.28,2583 2235.74,2583 2262.9,2583 2290.06,2583 2513,2583 2540.16,2583 2680.62,2583 2707.78,2583 2432.54,2610.49 2788.24,2610.49 2432.54,2637.65 2788.24,2637.65
3V3_DEB: C55.1 C57.1 C58.1 C69.1 C79.1 C84.1 C90.1 C137.1 L4.1 L6.1 R66.2 R67.2 R68.2 R69.2 TP20.1 U6.20 U6.31 U6.42 U6.50 U6.56 U13.6 U30.1 | length 215.1
  Top w20: C84.1@332.95,2287.33 v1(332.95,2312.96) 332.95,2340.93 334.76,2342.74 U13.6@340,2342.74 ; TP20.1@385.1,2691.81 385.52,2691.39 385.52,2641.29 v3(385.84,2640.97) ; v1(445.76,2285.05) R67.2@471.4,2285.05 ; R69.2@506.5,2197 v1(532.14,2197) ; R68.2@506.5,2241.03 v1(532.14,2241.03) ; v1(1059.29,1995.47) R66.2@1059.29,2021.11
  other v1: 772.42,1852.96 796.42,1852.96 820.42,1852.96 920.42,1852.96 944.42,1852.96 968.42,1852.96 772.42,1876.96 968.42,1876.96 772.42,1900.96 968.42,1900.96 1255.72,2112.65 1323.89,2112.65 1186.87,2113.05 1255.72,2139.73 1323.89,2139.73 1186.87,2139.94 1237,2265 1237,2291 601,2364.89 601.19,2395.11 631.1,2395.11 1237,2481.54 601,2483 1237,2507.54 601.19,2513.22 631.1,2513.22 924.46,2621.23 924.03,2646.58
3V3_ETH: C34.2 C50.2 C59.2 C65.1 C134.1 L3.1 R45.2 R53.2 R58.2 R60.2 R73.2 R156.2 TP19.1 U4.9 U24.1 X1.4 | length 233.6
  Top w12: v1(3989.35,1055.9) 4013.19,1032.06 TP19.1@4013.19,977.28
  Top w15: R73.2@3336.09,1248.82 v1@3336.09,1273.01
  Top w20: R45.2@3260.95,1291.65 v1@3260.95,1315.85 ; v1@3311.44,1461.09 R156.2@3335.63,1461.09 ; R60.2@3336.09,1367.48 v1@3336.09,1391.67 ; R53.2@3578.28,1351.58 R58.2@3626.66,1351.58
  other v1: 3945.9,1055.9 3967.62,1077.63 3945.9,1099.35 3989.35,1099.35 3817.17,1206.36 3822.59,1235.38 3336.29,1273.01 3507.46,1286.62 3261.15,1315.85 3602.47,1351.38 3787.11,1355.01 3814,1355.01 3434,1356.66 3434,1380 3336.29,1391.67 3434,1403.34 3787.43,1420.06 3814.5,1420.06 3311.44,1461.29 3787.43,1488.23 3814.5,1488.23
3V3_PHY: C39.1 C40.1 C51.1 C52.1 C53.1 J6.2 J6.5 L3.2 R41.2 R42.2 R43.2 R44.2 U4.1 U4.19 | length 174.8
  Top w15: R41.2@3453.78,987.08 3453.78,989.22 R41.2@3454.85,988.15 ; v1@3477.46,965.54 v1(3478,965) ; R43.2@3548.5,987.08 R43.2@3548.5,988.62 ; v1@3569.12,968 v1(3570,968)
  Top w20: v1@3406.43,963.33 R42.2@3406.43,987.52 ; v1@3428.59,858.47 C39.1@3428.59,882.66 ; R41.2@3454.85,988.15 v1@3477.46,965.54 ; v1@3476.93,965 R44.2@3501.14,989.22 ; R43.2@3548.5,988.62 v1@3569.12,968 ; v1@3598.28,861.21 C40.1@3598.28,885.41
  other v1: 3428.39,858.47 3598.08,861.21 3406.23,963.33 3425,1072.86 3565.26,1075.82 3589.07,1075.82 3381,1103 3425,1103 3565.26,1103.56 3589.07,1103.56